# Altium PCB ATM1099C-0627-ssy-1.brd.PcbDoc (part 1 of 4) (continued)
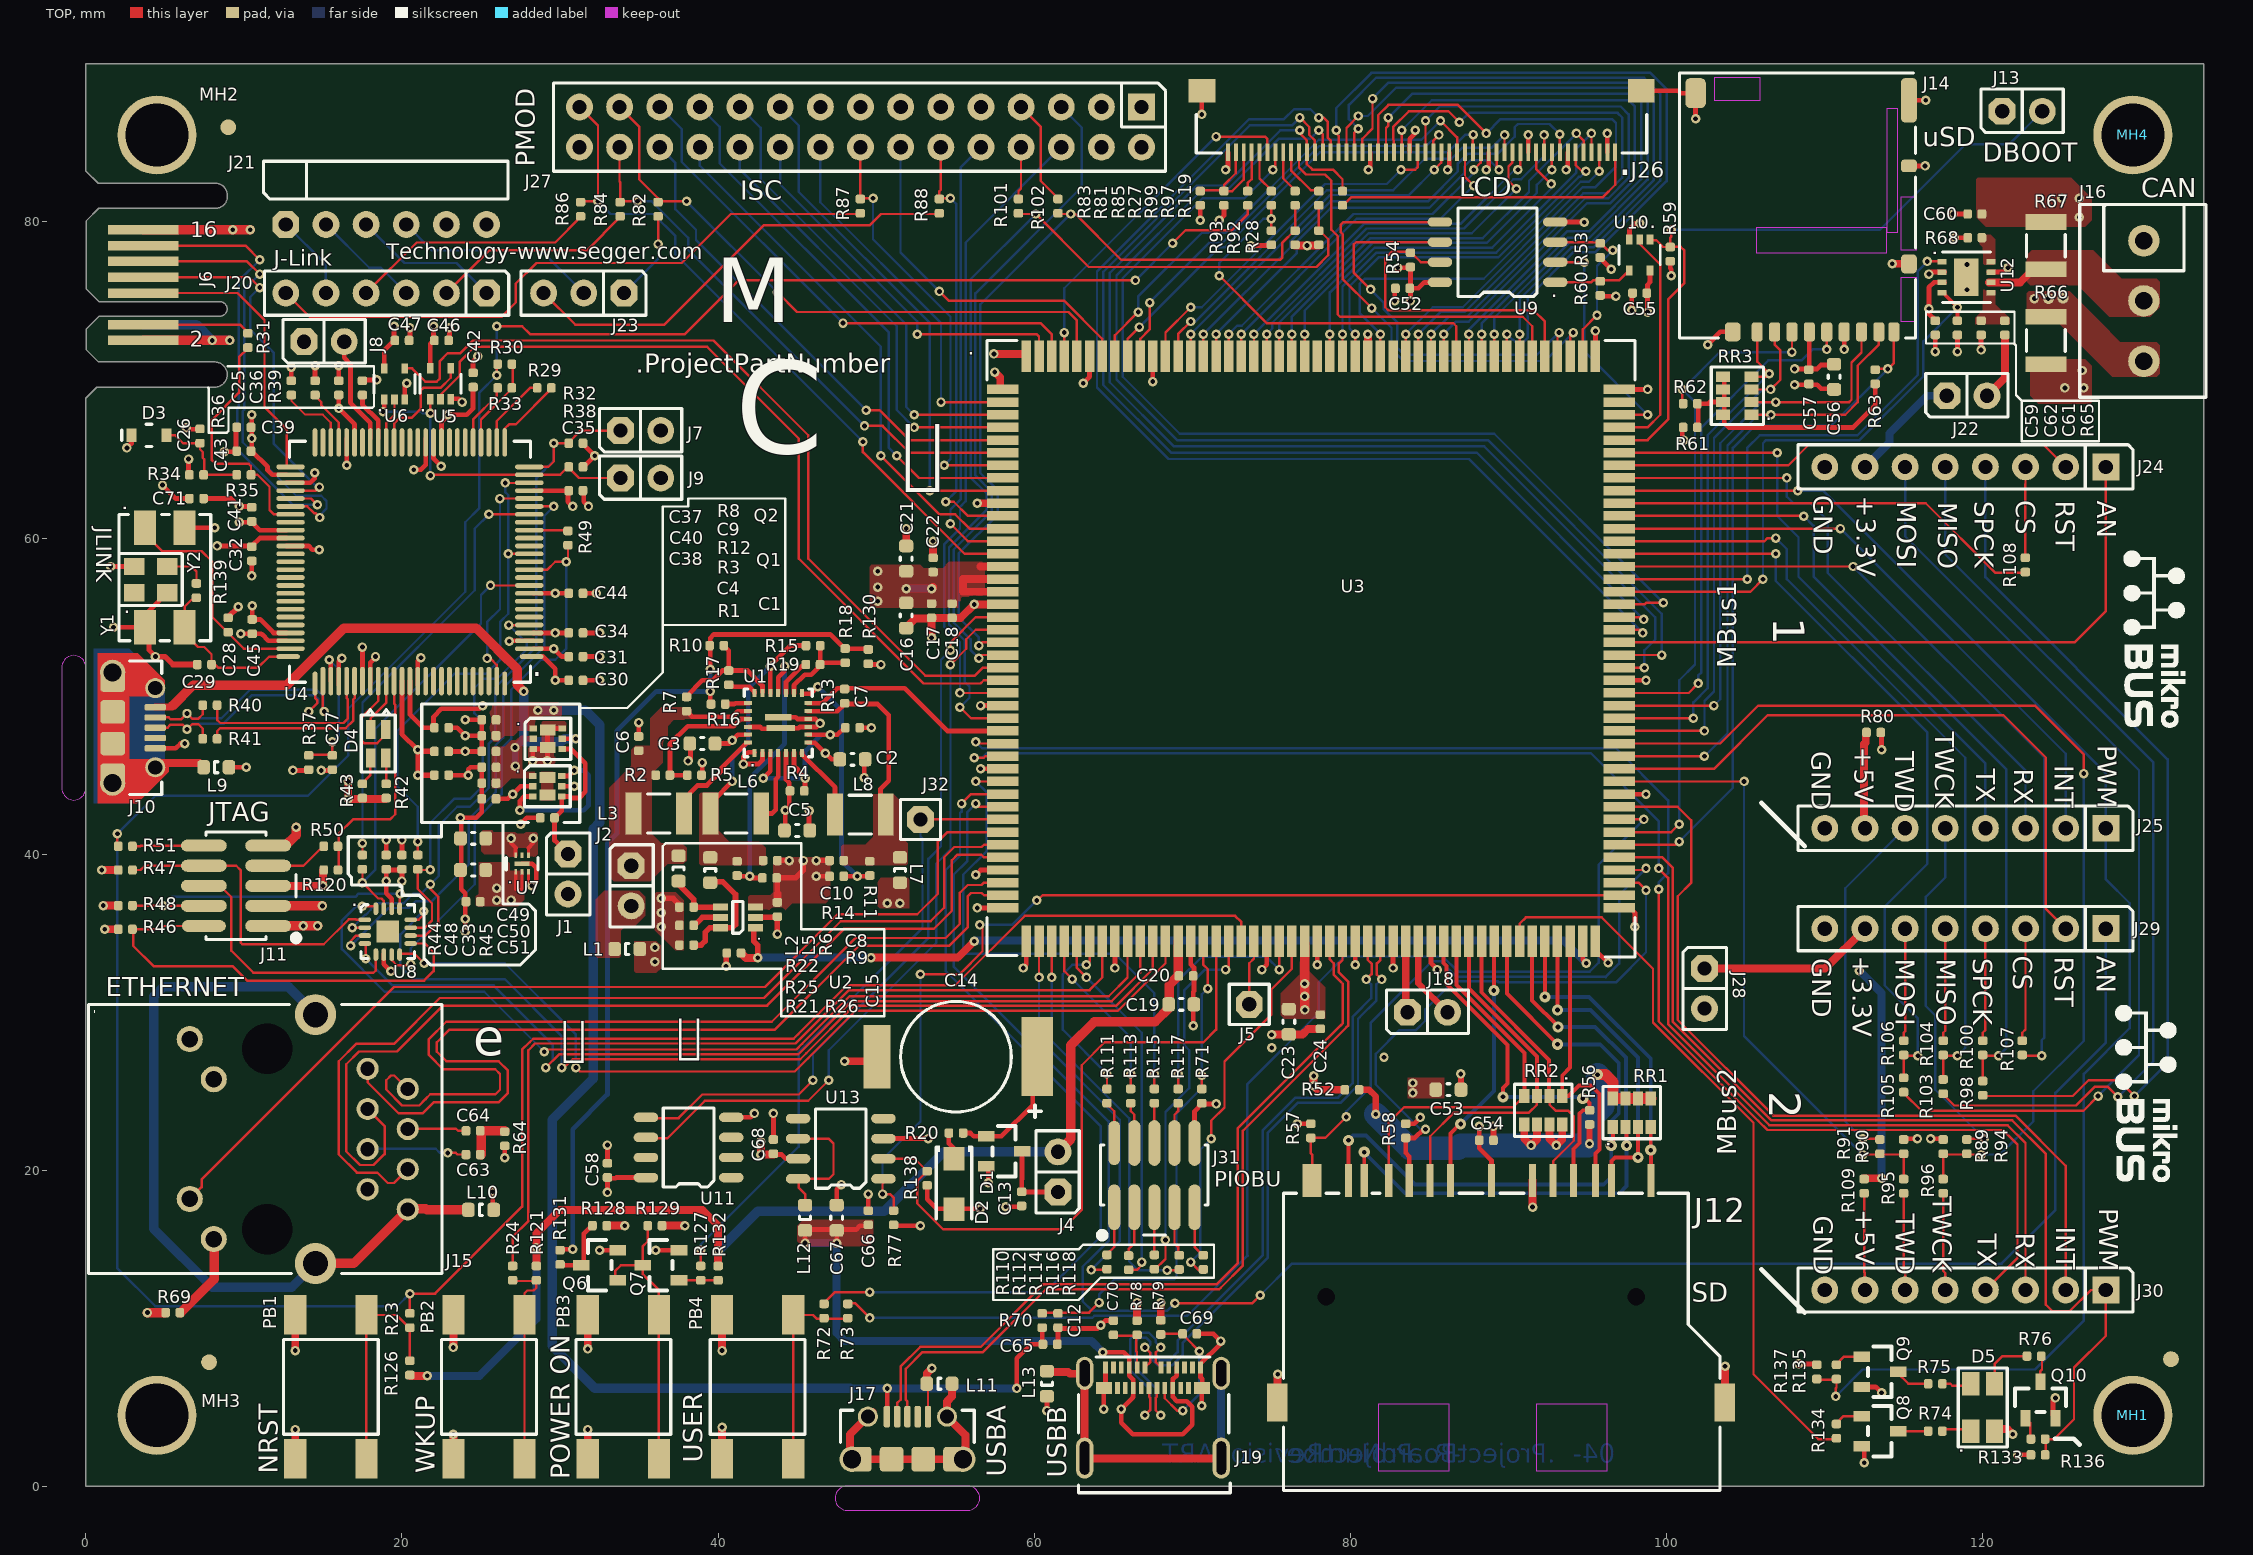
[diagram p0: TOP view]
## Components (designator, comment, footprint, x,y, rotation, side; value= is the part's Value field where it differs from the comment) (continued)
R85 "Resistor" RES_C_0402 73.5,81.5 r90 top value=0R
R86 "Resistor" RES_C_0402 31.3,80.8 r270 top value=22R
R87 "Resistor" RES_C_0402 49,81 r270 top value=22R
R88 "Resistor" RES_C_0402 54,81 r270 top value=22R
R89 "Resistor" RES_C_0402 117.5,21.5 r270 top value=2.2k
R90 "Resistor" RES_C_0402 115,21.5 r270 top value=2.2k
R91 "Resistor" RES_C_0402 113.5,21.5 r90 top value=22R
R92 "Resistor" RES_C_0402 76.5,79 r90 top value=2.2k
R93 "Resistor" RES_C_0402 78,79 r90 top value=2.2k
R94 "Resistor" RES_C_0402 119,21.5 r90 top value=22R
R95 "Resistor" RES_C_0402 115,19 r270 top value=22R
R96 "Resistor" RES_C_0402 117.5,19 r270 top value=22R
R97 "Resistor" RES_C_0402 78,81.5 r90 top value=22R
R98 "Resistor" RES_C_0402 120,25.2 r270 top value=39R
R99 "Resistor" RES_C_0402 76.5,81.5 r90 top value=22R
R100 "Resistor" RES_C_0402 120,27.75 r90 top value=39R
R101 "Resistor" RES_C_0402 59,81 r90 top value=22R
R102 "Resistor" RES_C_0402 61.5,81 r90 top value=22R
R103 "Resistor" RES_C_0402 117.5,25.3 r270 top value=22R
R104 "Resistor" RES_C_0402 117.5,27.75 r90 top value=22R
R105 "Resistor" RES_C_0402 115,25.4 r270 top value=22R
R106 "Resistor" RES_C_0402 115,27.75 r90 top value=22R
R107 "Resistor" RES_C_0402 122.5,27.75 r90 top value=22R
R108 "Resistor" RES_C_0402 122.7,58.3 r90 top value=22R
R109 "Resistor" RES_C_0402 112.5,19 r90 top value=0R
R110 "Resistor" RES_C_0402 64.6,14.2 r90 top value=330R
R111 "Resistor" RES_C_0402 64.6,24.7 r90 top value=330R
R112 "Resistor" RES_C_0402 65.971,14.157 r90 top value=330R
R113 "Resistor" RES_C_0402 66.1,24.7 r90 top value=330R
R114 "Resistor" RES_C_0402 67.6,14.2 r90 top value=330R
R115 "Resistor" RES_C_0402 67.6,24.7 r90 top value=0R
R116 "Resistor" RES_C_0402 69.172,14.183 r90 top value=330R
R117 "Resistor" RES_C_0402 69.1,24.7 r90 top value=0R
R118 "Resistor" RES_C_0402 70.696,14.183 r90 top value=0R
R119 "Resistor" RES_C_0402 79.5,81.5 r270 top value=100R
R120 "Resistor" RES_C_0402 15.5,39 r180 top value=10k
R121 "Resistor" RES_C_0402 28.5,13.5 r270 top value=10k
R126 "Resistor" RES_C_0402 20.5,7.5 r90 top value=100k
R127 "Resistor" RES_C_0402 38.9,13.5 r270 top value=10k
R128 "Resistor" RES_C_0402 32.5,16.5 r0 top value=10k
R129 "Resistor" RES_C_0402 36,16.5 r180 top value=100k
R130 "Resistor" RES_C_0402 49.5,52.5 r270 top value=0R
R131 "Resistor" RES_C_0402 30,14.5 r90 top value=0R
R132 "Resistor" RES_C_0402 40,13.5 r270 top value=100k
R133 "Resistor" RES_C_0402 123.5,2 r180 top value=10k
R134 "Resistor" RES_C_0402 110.75,3.5 r90 top value=100R
R135 "Resistor" RES_C_0402 110.75,7.25 r90 top value=100R
R136 "Resistor" RES_C_0402 123.5,3 r180 top value=100R
R137 "Resistor" RES_C_0402 109.5,7.25 r90 top value=10k
R138 "Resistor" RES_C_0402 53.225,19.5 r90 top value=10k
R139 "Resistor" RES_C_0402 6.993,56.677 r270 top value=0R
RR1 "Resistor Network 4-Ch" RES_C_CAV_0603X4 97.8,23.65 r90 top value=68k
RR2 "Resistor Network 4-Ch" RES_C_CAV_0603X4 92.2,23.8 r270 top value=68k
RR3 "Resistor Network 4-Ch" RES_C_CAV_0603X4 104.475,69 r180 top value=68k
U1 "MIC23451 VQFN-26" VQFN-26_4X4_MIC23451 43.8,48.31 r90 top value=MIC23451
U2 "ADG849 SC70" SC-70-6 41.25,36 r90 top value=ADG849
U3 "*" "MOD SOM SAMA5D27-SOM1 40MMX38MM" 77.5,53 r0 top value=SAMA5D27-SOM1
U4 "ATSAM3U4CA-AU LQFP-100" LQFP-100_14x14 20.5,58.5 r180 top value=ATSAM3U4CA-AU
U5 "NL17SZ126-D SOT-353" SOT-353 22.44,69.763 r0 top value=NL17SZ126-D
U6 "NL17SZ126-D SOT-353" SOT-353 19.525,69.75 r0 top value=NL17SZ126-D
U7 "MIC5528MT DFN-6" DFN-6_1.2x1.2 27.6,39.4 r0 top value="MIC5528 3V3"
U8 "NLAS3899B QFN16" QFN-16_3X3_EP1.4X1.4 19.1,35.1 r0 top value=NLAS3899B
U9 "SST26VFXXX SOIC-8_WSON-8_SOIJ-8" SOIJ-8 89.314,78.089 r180 top value=SST26VF064B
U10 "NL17SZ125-D SOT-353" SOT-353 98.3,77.9 r180 top value=NL17SZ125-D
U11 "ATECC608A-SSHDA-B SOIC-8" SOIC-8 38.133,21.447 r180 top value=ATECC608A-SSHDA
U12 "ATA6561 VDFN-8" DFN-8_3x3_EP2.4X1.55 118.975,76.5 r270 top value=ATA6561-GBQW
U13 "MCHP ANALOG POWER SWITCH 5.5V 0.7A MIC2025-1YM SOIC8" SOIC-8 47.76,21.371 r180 top value="USB Power Switch"
Y1 "Crystal 4 Pins" CRYSTAL_L7.5W5.2H1.4 5,57.5 r270 top value=12MHz
Y2 "OSCILLATOR 4 Pins" OSCILLATOR_ASE 4.1,57.375 r0 top value=12MHz

## Footprints (in the part's own frame and the unit in brackets; to place one, negate y for a bottom-side part, rotate by r counter-clockwise, add the part's x,y. Pads: shape width x height; smd on the part's side, far side on the other; paste and mask are expansions set on the pad)
7SDMM-X0-2211 [mm]
  rect 0.45x2.1 smd: 1(18.93,0) 2(16.55,0) 3(13.95,0) 4(11.35,0) 5(8.75,0) 6(6.15,0) 7(3.3,0) 8(2.3,0) 9(21.43,0) 10(17.93,0) 11(15.25,0) 12(7.45,0) 13(4.85,0)
  rect 1.2x2.1 smd: 14(0,0)
  rect 1.3x2.4 smd: 15(-2.2,-14.05) 16(26.1,-14.05)
  round 0.5 hole 1.1 unplated: A(0.9,-7.35) B(20.5,-7.35)
  TOP keep-out region: 4.175,-18.35 8.675,-18.35 8.675,-14.15 4.175,-14.15
  TOP keep-out region: 14.175,-18.35 18.675,-18.35 18.675,-14.15 14.175,-14.15
  silkscreen extent -1.8,-19.6 25.8,-0.8, body extent -2.6,-19.3 26.3,0.4, height 4.7
BUMP_3M_SJ61A2_CYLINDRICAL_BLACK_D9.53H5.97 [mm] "3M Bumpon Cylindrical D=9.53mm H=5.97mm"
  body extent -4.76,-4.76 4.76,4.76, height 5.97
CAP_AX_P8.3L11.7D6.8H1.8 [mm]
  rect 5x2 smd: 1(15.75,7.575)
  rect 4x1.7 smd: 2(15.75,-2.575)
  silkscreen extent 12.25,-1.07 19.58,7.81, body extent 12.35,-3.23 19.15,8.08, height 1.71
CAP_C_0402 [mm] "Chip Capacitor, 2-Leads, Body 1.0x0.5mm, IPC High Density"
  rrect50% 0.55x0.6 smd: 1(-0.45,0) 2(0.45,0)
  body extent -0.5,-0.3 0.5,0.3, height 0.2
CAP_C_0603 [mm] "Chip Capacitor, 2-Leads, Body 1.6x0.8mm, IPC Medium Density"
  rrect50% 0.8x0.9 smd: 1(-0.8,0) 2(0.8,0)
  silkscreen extent -0.1,-0.38 0.1,0.38, body extent -0.8,-0.4 0.8,0.4, height 0.3
"CON FLASH MICROSD 8+2P PUSH-PUSH SMD" [mm]
  rrect50% 1x1.2 smd: G1(-6.705,3.701) G6(4.445,8.001)
  rrect50% 1x2.8 smd: G2(-6.705,-6.649)
  rrect50% 1.3x1.9 smd: G3(6.795,-7.099)
  rrect50% 0.7x1.2 smd: G4(-5.755,8.001) P1(2.895,8.001) P2(1.795,8.001) P3(0.695,8.001) P4(-0.405,8.001) P5(-1.505,8.001) P6(-2.605,8.001) P7(-3.705,8.001) P8(-4.805,8.001)
  rrect50% 1x0.8 smd: G5(-6.705,-2.499)
  TOP keep-out region: -5.3,1.4 2.95,1.4 2.95,3 -5.3,3
  TOP keep-out region: -7.2,4.57 -6.2,4.57 -6.2,7.32 -7.2,7.32
  TOP keep-out region: -7.2,-0.5 -6.2,-0.5 -6.2,2.82 -7.2,2.82
  TOP keep-out region: -6,-6.1 -5.3,-6.1 -5.3,1.7 -6,1.7
  TOP keep-out region: 2.7,-8.075 5.6,-8.075 5.6,-6.65 2.7,-6.65
  silkscreen extent -7.11,-8.38 7.8,8.38, body extent -6.8,-9.5 7.05,8.26, height 1.68
"CON USB3.1-C FEMALE SMD RA 1054500101" [mm]
  oval 1.1x2.1 / inner oval 1.1x2.1 / far side oval 1.2x2.3 hole 0.65 slot 1.65 at 90 deg: 25(-4.41,3.36) 26(4.23,3.36)
  oval 1.1x2.6 / inner oval 1.1x2.6 / far side oval 1.2x2.8 hole 0.6 slot 2.1 at 90 deg: 27(4.23,-2) 28(-4.41,-2)
  rect 0.3x0.76 smd: A1(-3.09,3.74) A2(-2.59,3.74) A3(-2.09,3.74) A4(-1.59,3.74) A5(-1.09,3.74) A6(-0.59,3.74) A7(0.41,3.74) A8(0.91,3.74) A9(1.41,3.74) A10(1.91,3.74) A11(2.41,3.74) A12(2.91,3.74) B2(2.16,2.44) B3(1.66,2.44) B4(1.16,2.44) B5(0.66,2.44) B6(0.16,2.44) B7(-0.34,2.44) B8(-0.84,2.44) B9(-1.34,2.44) B10(-1.84,2.44) B11(-2.34,2.44)
  rect 1x0.76 smd: B1(3.01,2.44) B12(-3.19,2.44)
  silkscreen extent -4.8,-4.2 4.8,4.4, body extent -4.57,-4 4.37,3.9, height 3.08
CON_EDGE-CARD_PCB_RA_MEC1-108-02-F-D-RA1-SL [mm] "MEC1-108-02-F-D-RA1-SL connector matching PCB pads"
  rect 0.6x4.45 smd far side paste-0.3: 1(4,0) 3(3,0) 7(1,0) 9(0,0) 11(-1,0) 13(-2,0) 15(-3,0)
  rect 0.6x4.45 smd paste-0.3: 2(4,0) 4(3,0) 8(1,0) 10(0,0) 12(-1,0) 14(-2,0) 16(-3,0)
CON_FFC_0.5_FEMALE_1X50_SMD_OMR_XF2M-5015-1A [mm] "CONN FFC TOP/BOTTOM 50POS 0.50MM R/A"
  rect 0.25x1.1 smd: 1(12.25,-1.841) 2(11.75,-1.841) 3(11.25,-1.841) 4(10.75,-1.841) 5(10.25,-1.841) 6(9.75,-1.841) 7(9.25,-1.841) 8(8.75,-1.841) 9(8.25,-1.841) 10(7.75,-1.841) 11(7.25,-1.841) 12(6.75,-1.841) 13(6.25,-1.841) 14(5.75,-1.841) 15(5.25,-1.841) 16(4.75,-1.841) 17(4.25,-1.841) 18(3.75,-1.841) 19(3.25,-1.841) 20(2.75,-1.841) 21(2.25,-1.841) 22(1.75,-1.841) 23(1.25,-1.841) 24(0.75,-1.841) 25(0.25,-1.841) 26(-0.25,-1.841) 27(-0.75,-1.841) 28(-1.25,-1.841) 29(-1.75,-1.841) 30(-2.25,-1.841) 31(-2.75,-1.841) 32(-3.25,-1.841) 33(-3.75,-1.841) 34(-4.25,-1.841) 35(-4.75,-1.841) 36(-5.25,-1.841) 37(-5.75,-1.841) 38(-6.25,-1.841) 39(-6.75,-1.841) 40(-7.25,-1.841) 41(-7.75,-1.841) 42(-8.25,-1.841) 43(-8.75,-1.841) 44(-9.25,-1.841) 45(-9.75,-1.841) 46(-10.25,-1.841) 47(-10.75,-1.841) 48(-11.25,-1.841) 49(-11.75,-1.841) 50(-12.25,-1.841)
  rect 1.7x1.5 smd: MNT(-13.9,2.059) MNT(13.9,2.059)
  silkscreen extent -14.25,-1.89 14.25,0.56, body extent -14.55,-2.9 14.55,3, height 2
CON_TERMINAL_3.81_1x3_TH_RA_PHO_1727023 [mm]
  round 2 hole 1.1: 1(-3.81,0) 2(0,0) 3(3.81,0)
  silkscreen extent -6.1,-4.06 6.1,3.94, body extent -5.72,-3.74 5.71,3.56, height 8.5
CON_USB_MICRO-AB_SMD_TH_RA_FCI_10118194-0001LF [mil] "FCI USB Micro-AB SMD RA L5W8.8H2.8"
  round 63 hole 45: 0(-138,0) 0(138,0)
  rrect30% 59x62 smd paste-2: 0(-118.5,0) 0(-39.5,0) 0(39.5,0) 0(118.5,0)
  round 50 hole 35: 0(-98.5,-106)
  rrect100% 50x50 hole 35: 0(98.5,-106)
  rrect50% 16x53 smd paste-1.8 mask+3: 1(51.18,-106) 2(25.59,-106) 3(0,-106) 4(-25.59,-106) 5(-51.18,-106)
  Keep-Out Layer board cut-out: 150,67 161.48,69.28 171.21,75.79 177.72,85.52 180,97 180,97 177.72,108.48 171.21,118.21 161.48,124.72 150,127 150,127 -150,127 -161.48,124.72 -171.21,118.21 -177.72,108.48 -180,97 -180,97 -177.72,85.52 -171.21,75.79 -161.48,69.28 -150,67 -150,67
  Keep-Out Layer board cut-out: 150,67 161.48,69.28 171.21,75.79 177.72,85.52 180,97 180,97 177.72,108.48 171.21,118.21 161.48,124.72 150,127 150,127 -150,127 -161.48,124.72 -171.21,118.21 -177.72,108.48 -180,97 -180,97 -177.72,85.52 -171.21,75.79 -161.48,69.28 -150,67 -150,67
  silkscreen extent -166,-122 166,-42, body extent -158,-114 158,106, height 108
CRYSTAL_L7.5W5.2H1.4 [mm] "SMD7X5"
  rect 2.2x1.4 smd paste-1.1: 1(-3.15,-1.25) 2(-3.15,1.25) 3(3.15,1.25) 4(3.15,-1.25)
  silkscreen extent -4,-2.9 4,2.9, body extent -3.7,-2.6 3.7,2.6, height 1.45
DFN-6_1.2x1.2 [mm] "DFN, 6-Leads, Body 1.2x1.2mm (max), Pitch 0.65"
  rect 0.18x0.35 smd: 1(-0.4,-0.525) 2(0,-0.525) 3(0.4,-0.525) 4(0.4,0.525) 5(0,0.525) 6(-0.4,0.525)
  rect 0.94x0.3 smd: 7(0,0)
  silkscreen extent -1,-0.4 1,0.4, body extent -0.62,-0.62 0.63,0.63, height 0.6
DFN-8_3x3_EP2.4X1.55 [mm] "DFN, 8-Leads, Body 3.0x3.0mm (max), Pitch 0.65mm, IPC Medium Density"
  rect 0.35x0.6 smd: 1(-0.975,-1.55) 2(-0.325,-1.55) 3(0.325,-1.55) 4(0.975,-1.55) 5(0.975,1.55) 6(0.325,1.55) 7(-0.325,1.55) 8(-0.975,1.55)
  rect 2.4x1.55 smd: 9(0,0)
  silkscreen extent -1.6,-1.5 1.6,1.5, body extent -1.5,-1.5 1.5,1.5, height 0.61
HDR_F_2.54_1x6_RA [mm] "Header Female Right Angle 6 Way 2.54mm Pitch"
  oct 1.7x1.7 hole 0.9: 1(-6.35,0)
  round 1.7 hole 0.9: 2(-3.81,0) 3(-1.27,0) 4(1.27,0) 5(3.81,0) 6(6.35,0)
  silkscreen extent -7.75,1.6 7.7,4, body extent -7.87,-0.2 7.87,10.03, height 2.46
HDR_F_2.54_1X8 [mm] "Header Female Vertical 8 Way 2.54mm Pitch"
  rect 1.7x1.7 hole 0.9: 1(-8.89,0)
  round 1.7 hole 0.9: 2(-6.35,0) 3(-3.81,0) 4(-1.27,0) 5(1.27,0) 6(3.81,0) 7(6.35,0) 8(8.89,0)
  silkscreen extent -10.61,-1.4 10.59,1.4, body extent -10.41,-1.21 10.42,1.21, height 8.51
HDR_M_1.27_2x5_SMD_V_SAM_FTS-105-01-L-DV [mil]
  oval 30x114 smd: 1(-100,-80) 3(-50,-80) 4(-50,80) 5(0,-80) 6(0,80) 7(50,-80) 8(50,80) 9(100,-80) 10(100,80)
  oval 29.13x109.84 smd: 2(-100,80)
  silkscreen extent -138,-157 134,75, body extent -125,-119 125,111, height 170
HDR_M_1.27_2x5_SMD_V_SAM_FTSH-105-01-F-DV-K [mil]
  oval 30x114 smd: 1(-100,-80) 3(-50,-80) 4(-50,80) 5(0,-80) 6(0,80) 7(50,-80) 8(50,80) 9(100,-80) 10(100,80)
  oval 29.13x109.84 smd: 2(-100,80)
  silkscreen extent -138,-157 134,75, body extent -125,-115 125,115, height 241
HDR_M_2.54_1x1 [mm] "Header Male Vertical 1 Way"
  oct 1.7x1.7 hole 0.9: 1(0,0)
  silkscreen extent -1.27,-1.27 1.27,1.27, body extent -1.27,-1.27 1.27,1.27, height 5.94
HDR_M_2.54_1x2 [mm] "Header Male Vertical 4 Way 2.54mm Pitch"
  oct 1.7x1.7 hole 0.9: 1(-1.27,0)
  round 1.7 hole 0.9: 2(1.27,0)
  silkscreen extent -2.6,-1.35 2.6,1.4, body extent -2.54,-1.27 2.54,1.27, height 5.94
HDR_M_2.54_1x3 [mm] "Header Male Vertical 4 Way P=2.54mm"
  oct 1.7x1.7 hole 0.9: 1(-2.54,0)
  round 1.7 hole 0.9: 2(0,0) 3(2.54,0)
  silkscreen extent -3.94,-1.4 3.96,1.4, body extent -3.8,-1.26 3.82,1.28, height 5.94
HDR_M_2.54_1x6 [mm] "Header Male Vertical 6 Way 2.54mm Pitch"
  oct 1.7x1.7 hole 0.9: 1(-6.35,0)
  round 1.7 hole 0.9: 2(-3.81,0) 3(-1.27,0) 4(1.27,0) 5(3.81,0) 6(6.35,0)
  silkscreen extent -7.75,-1.4 7.7,1.4, body extent -7.62,-1.27 7.62,1.27, height 8.38
HDR_M_2.54_2x15 [mm] "Header Male Vertical 2x10 Way 2.54mm Pitch"
  rect 1.7x1.7 hole 0.9: 1(-17.788,-1.27)
  round 1.7 hole 0.9: 2(-17.788,1.27) 3(-15.248,-1.27) 4(-15.248,1.27) 5(-12.708,-1.27) 6(-12.708,1.27) 7(-10.168,-1.27) 8(-10.168,1.27) 9(-7.628,-1.27) 10(-7.628,1.27) 11(-5.088,-1.27) 12(-5.088,1.27) 13(-2.548,-1.27) 14(-2.548,1.27) 15(-0.008,-1.27) 16(-0.008,1.27) 17(2.532,-1.27) 18(2.532,1.27) 19(5.072,-1.27) 20(5.072,1.27) 21(7.612,-1.27) 22(7.612,1.27) 23(10.152,-1.27) 24(10.152,1.27) 25(12.692,-1.27) 26(12.692,1.27) 27(15.232,-1.27) 28(15.232,1.27) 29(17.772,-1.27) 30(17.772,1.27)
  silkscreen extent -19.31,-2.79 19.42,2.79, body extent -19.06,-2.54 19.04,2.54, height 8.5
HOLE2#1 [mm]
  round 5 hole 4: 1(0,0)
HOLE2#2 [mm]
  round 5 hole 4: MH(0,0)
IND_C_0603 [mm] "Chip Inductor, 2-Leads, Body 1.6x0.8mm, IPC Medium Density"
  rrect50% 0.8x0.9 smd: 1(-0.8,0) 2(0.8,0)
  silkscreen extent -0.1,-0.35 0.1,0.35, body extent -0.8,-0.4 0.8,0.4, height 0.95
IND_C_1210 [mm] "Chip Inductor, 2-Leads, Body 3.2x2.5mm, IPC Medium Density"
  rect 1x2.65 smd: 1(-1.6,0) 2(1.6,0)
  silkscreen extent -0.7,-1.22 0.7,1.23, body extent -1.55,-1.3 1.55,1.3, height 0.57
J00-0061NL_RJ45_connector [mm] "J00-0061NL_RJ45_connector"
  round 1.4 / inner round 1.524 / far side round 1.4 hole 0.9: 1(-4.445,6.35) 2(-3.175,8.89) 3(-1.905,6.35) 4(-0.635,8.89) 5(0.635,6.35) 6(1.905,8.89) 7(3.175,6.35) 8(4.445,8.89)
  round 1.65 / inner round 1.524 / far side round 1.65 hole 1.05: 9(-6.325,-4.9) 10(-3.785,-3.38) 11(3.785,-4.9) 12(6.325,-3.38)
  round 2.6 / inner round 1.524 / far side round 2.6 hole 1.6: 13(-7.875,3.05) 14(7.875,3.05)
  round 2.3 / inner round 1.524 / far side round 2.3 hole 3.2 unplated: MH1(-5.715,0)
  round 2 / inner round 1.524 / far side round 2 hole 3.2 unplated: MH2(5.715,0)
  silkscreen extent -8.51,-11.3 8.51,11.05, body extent -8.15,-10.9 8.15,10.7, height 13.84
LABEL_Need_Help_Large [mm] "Need Help Label with Serial Number"
  body extent -25.4,-6.35 25.4,6.35, height 0.3
LED_DUAL_SMD_2x1.25mm [mm] "LED 2X1.2MM RD/GN WTR CLR SMD"
  rect 1.2x0.6 smd: 1(0.9,0.475) 2(-0.9,0.475) 3(-0.9,-0.475) 4(0.9,-0.475)
  silkscreen extent -2.16,-1.07 1.8,1.07, body extent -0.81,-0.75 0.81,0.75, height 0.6
LQFP-100_14x14 [mm] "LQFP-100"
  oval 1.5x0.3 smd: 1(-7.7,6) 75(7.7,6)
  oval 1.8x0.3 smd: 2(-7.55,5.5) 3(-7.55,5) 4(-7.55,4.5) 5(-7.55,4) 6(-7.55,3.5) 7(-7.55,3) 8(-7.55,2.5) 9(-7.55,2) 10(-7.55,1.5) 11(-7.55,1) 12(-7.55,0.5) 13(-7.55,0) 14(-7.55,-0.5) 15(-7.55,-1) 16(-7.55,-1.5) 17(-7.55,-2) 18(-7.55,-2.5) 19(-7.55,-3) 20(-7.55,-3.5) 21(-7.55,-4) 22(-7.55,-4.5) 23(-7.55,-5) 24(-7.55,-5.5) 25(-7.55,-6) 51(7.55,-6) 52(7.55,-5.5) 53(7.55,-5) 54(7.55,-4.5) 55(7.55,-4) 56(7.55,-3.5) 57(7.55,-3) 58(7.55,-2.5) 59(7.55,-2) 60(7.55,-1.5) 61(7.55,-1) 62(7.55,-0.5) 63(7.55,0) 64(7.55,0.5) 65(7.55,1) 66(7.55,1.5) 67(7.55,2) 68(7.55,2.5) 69(7.55,3) 70(7.55,3.5) 71(7.55,4) 72(7.55,4.5) 73(7.55,5) 74(7.55,5.5)
  oval 0.3x1.8 smd: 26(-6,-7.55) 27(-5.5,-7.55) 28(-5,-7.55) 29(-4.5,-7.55) 30(-4,-7.55) 31(-3.5,-7.55) 32(-3,-7.55) 33(-2.5,-7.55) 34(-2,-7.55) 35(-1.5,-7.55) 36(-1,-7.55) 37(-0.5,-7.55) 38(0,-7.55) 39(0.5,-7.55) 40(1,-7.55) 41(1.5,-7.55) 42(2,-7.55) 43(2.5,-7.55) 44(3,-7.55) 45(3.5,-7.55) 46(4,-7.55) 47(4.5,-7.55) 48(5,-7.55) 49(5.5,-7.55) 50(6,-7.55) 77(5.5,7.55) 78(5,7.55) 79(4.5,7.55) 80(4,7.55) 81(3.5,7.55) 82(3,7.55) 83(2.5,7.55) 84(2,7.55) 85(1.5,7.55) 86(1,7.55) 87(0.5,7.55) 88(0,7.55) 89(-0.5,7.55) 90(-1,7.55) 91(-1.5,7.55) 92(-2,7.55) 93(-2.5,7.55) 94(-3,7.55) 95(-3.5,7.55) 96(-4,7.55) 97(-4.5,7.55) 98(-5,7.55) 99(-5.5,7.55)
  oval 0.3x1.5 smd: 76(6,7.7) 100(-6,7.7)
  silkscreen extent -7.62,-7.62 7.62,7.62, body extent -8,-8 8,8, height 1.6
"MOD SOM SAMA5D27-SOM1 40MMX38MM" [mm]
  rect 2x0.6 smd paste-0.025 mask-1: 1(-19.5,16.4) 2(-19.5,15.6) 3(-19.5,14.8) 4(-19.5,14) 5(-19.5,13.2) 6(-19.5,12.4) 7(-19.5,11.6) 8(-19.5,10.8) 9(-19.5,10) 10(-19.5,9.2) 11(-19.5,8.4) 12(-19.5,7.6) 13(-19.5,6.8) 14(-19.5,6) 15(-19.5,5.2) 16(-19.5,4.4) 17(-19.5,3.6) 18(-19.5,2.8) 19(-19.5,2) 20(-19.5,1.2) 21(-19.5,0.4) 22(-19.5,-0.4) 23(-19.5,-1.2) 24(-19.5,-2) 25(-19.5,-2.8) 26(-19.5,-3.6) 27(-19.5,-4.4) 28(-19.5,-5.2) 29(-19.5,-6) 30(-19.5,-6.8) 31(-19.5,-7.6) 32(-19.5,-8.4) 33(-19.5,-9.2) 34(-19.5,-10) 35(-19.5,-10.8) 36(-19.5,-11.6) 37(-19.5,-12.4) 38(-19.5,-13.2) 39(-19.5,-14) 40(-19.5,-14.8) 41(-19.5,-15.6) 42(-19.5,-16.4) 89(19.5,-16.4) 90(19.5,-15.6) 91(19.5,-14.8) 92(19.5,-14) 93(19.5,-13.2) 94(19.5,-12.4) 95(19.5,-11.6) 96(19.5,-10.8) 97(19.5,-10) 98(19.5,-9.2) 99(19.5,-8.4) 100(19.5,-7.6) 101(19.5,-6.8) 102(19.5,-6) 103(19.5,-5.2) 104(19.5,-4.4) 105(19.5,-3.6) 106(19.5,-2.8) 107(19.5,-2) 108(19.5,-1.2) 109(19.5,-0.4) 110(19.5,0.4) 111(19.5,1.2) 112(19.5,2) 113(19.5,2.8) 114(19.5,3.6) 115(19.5,4.4) 116(19.5,5.2) 117(19.5,6) 118(19.5,6.8) 119(19.5,7.6) 120(19.5,8.4) 121(19.5,9.2) 122(19.5,10) 123(19.5,10.8) 124(19.5,11.6) 125(19.5,12.4) 126(19.5,13.2) 127(19.5,14) 128(19.5,14.8) 129(19.5,15.6) 130(19.5,16.4)
  rect 0.6x2 smd paste-0.025 mask-1: 43(-18,-18.5) 44(-17.2,-18.5) 45(-16.4,-18.5) 46(-15.6,-18.5) 47(-14.8,-18.5) 48(-14,-18.5) 49(-13.2,-18.5) 50(-12.4,-18.5) 51(-11.6,-18.5) 52(-10.8,-18.5) 53(-10,-18.5) 54(-9.2,-18.5) 55(-8.4,-18.5) 56(-7.6,-18.5) 57(-6.8,-18.5) 58(-6,-18.5) 59(-5.2,-18.5) 60(-4.4,-18.5) 61(-3.6,-18.5) 62(-2.8,-18.5) 63(-2,-18.5) 64(-1.2,-18.5) 65(-0.4,-18.5) 66(0.4,-18.5) 67(1.2,-18.5) 68(2,-18.5) 69(2.8,-18.5) 70(3.6,-18.5) 71(4.4,-18.5) 72(5.2,-18.5) 73(6,-18.5) 74(6.8,-18.5) 75(7.6,-18.5) 76(8.4,-18.5) 77(9.2,-18.5) 78(10,-18.5) 79(10.8,-18.5) 80(11.6,-18.5) 81(12.4,-18.5) 82(13.2,-18.5) 83(14,-18.5) 84(14.8,-18.5) 85(15.6,-18.5) 86(16.4,-18.5) 87(17.2,-18.5) 88(18,-18.5) 131(18,18.5) 132(17.2,18.5) 133(16.4,18.5) 134(15.6,18.5) 135(14.8,18.5) 136(14,18.5) 137(13.2,18.5) 138(12.4,18.5) 139(11.6,18.5) 140(10.8,18.5) 141(10,18.5) 142(9.2,18.5) 143(8.4,18.5) 144(7.6,18.5) 145(6.8,18.5) 146(6,18.5) 147(5.2,18.5) 148(4.4,18.5) 149(3.6,18.5) 150(2.8,18.5) 151(2,18.5) 152(1.2,18.5) 153(0.4,18.5) 154(-0.4,18.5) 155(-1.2,18.5) 156(-2,18.5) 157(-2.8,18.5) 158(-3.6,18.5) 159(-4.4,18.5) 160(-5.2,18.5) 161(-6,18.5) 162(-6.8,18.5) 163(-7.6,18.5) 164(-8.4,18.5) 165(-9.2,18.5) 166(-10,18.5) 167(-10.8,18.5) 168(-11.6,18.5) 169(-12.4,18.5) 170(-13.2,18.5) 171(-14,18.5) 172(-14.8,18.5) 173(-15.6,18.5) 174(-16.4,18.5) 175(-17.2,18.5) 176(-18,18.5)